# Altium PCB 28375D_Control_Card_2023.6.7.PcbDoc (part 1 of 2) (continued)
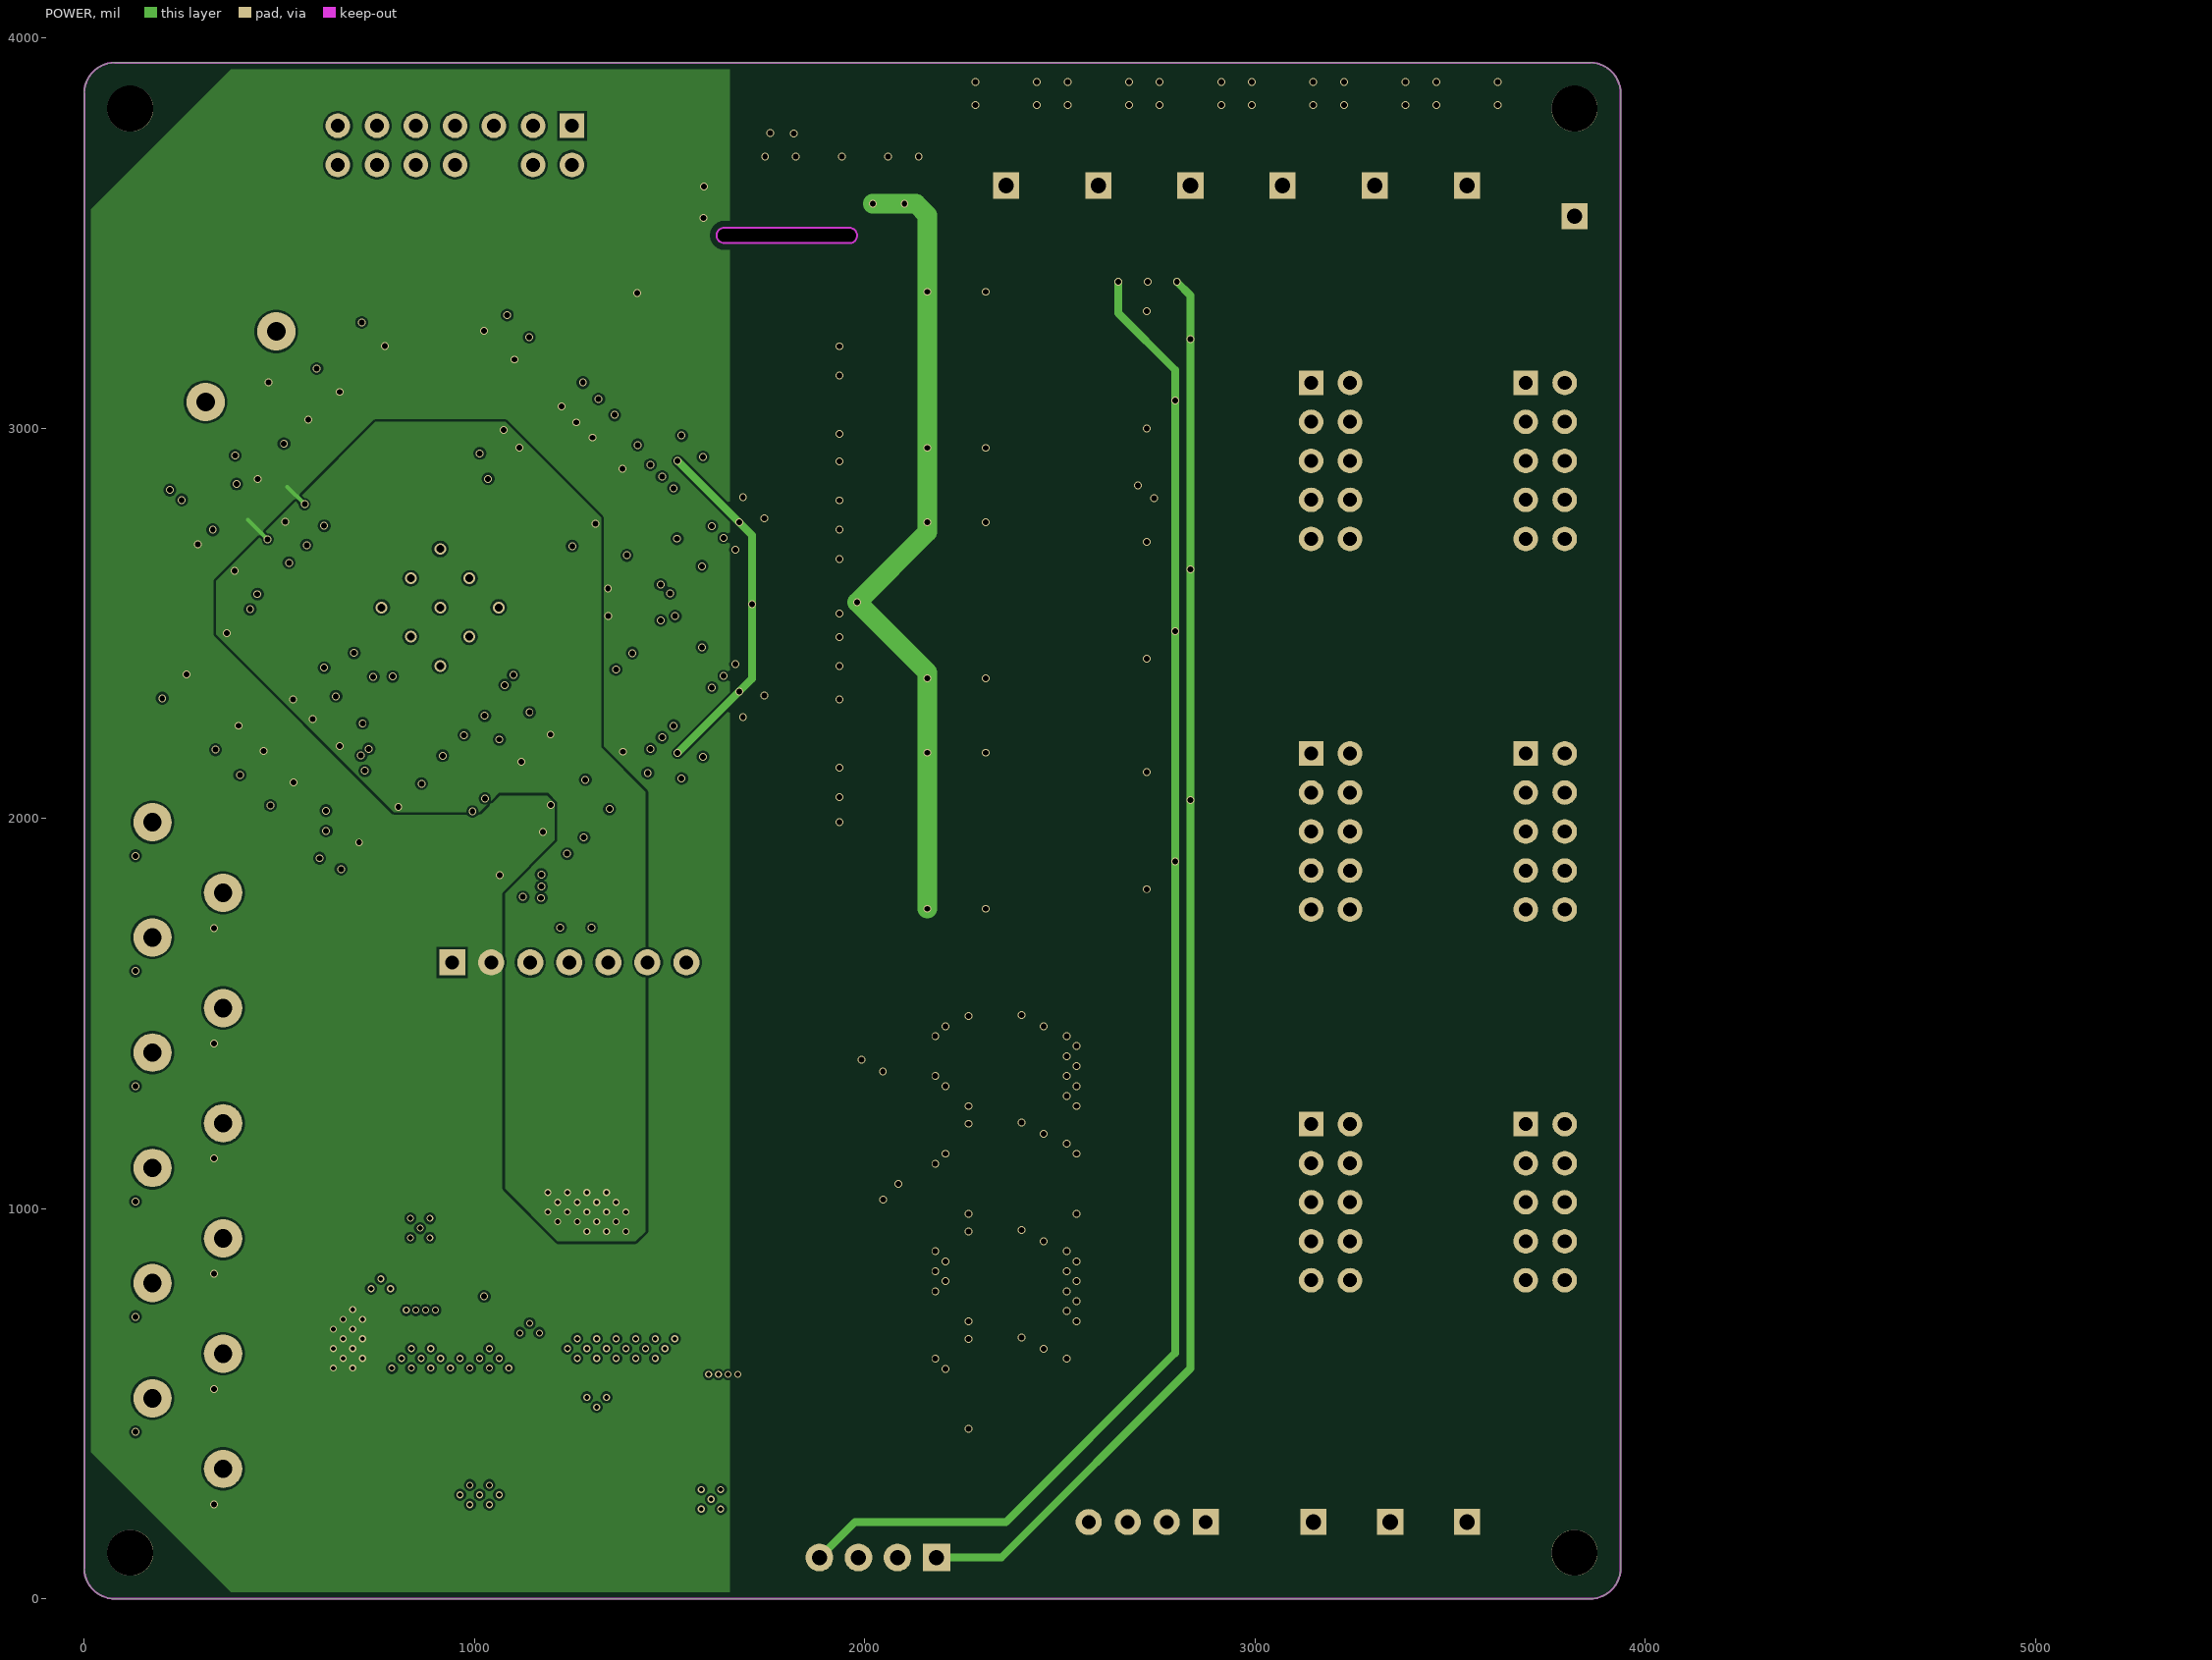
[diagram p3: POWER]

## Layer stack, top to bottom
Top Solder: solder mask 0.4, Solder Resist, Dk 3.5
Top Layer: signal copper 1.4
Dielectric 2: prepreg 2.8, PP-006, Dk 4.1
GND: signal copper 0.689
Dielectric 1: dielectric 12.6, FR-4, Dk 4.8
POWER: signal copper 0.689
Dielectric 3: prepreg 2.8, PP-006, Dk 4.1
Bottom Layer: signal copper 1.4
Bottom Solder: solder mask 0.4, Solder Resist, Dk 3.5

## Board outline
0,78.74 0,3858.27 cw(c78.74,3858.27) 78.74,3937.01 3858.27,3937.01 cw(c3858.27,3858.27) 3937.01,3858.27 3937.01,78.74 cw(c3858.27,78.74) 3858.27,0 78.74,0 cw(c78.74,78.74)
cut-out: 1640,3474.3 cw(c1640,3494) 1640,3513.7 1961,3513.7 cw(c1961,3494) 1980.7,3494 cw(c1961,3494) 1961,3474.3

## Design rules (kind name [scope] priority, off if disabled: settings)
Clearance edge [All vs OnLayer('Keep-Out Layer')] p1: gap=6 ignorepadtopadclearanceinfootprint=FALSE except(15: Arc-Fill Arc-Poly Arc-Region Track-Fill Track-Poly Track-Region)
Clearance [All] p2: gap=6 ignorepadtopadclearanceinfootprint=FALSE
Height [All] p1 off: minheight=0 maxheight=1000 prefheight=500
HoleSize [All] p1 off: absolutevalues=TRUE maxlimit=100 minlimit=1 maxpercent=80.000 minpercent=20.000
HoleToHoleClearance [All] p1 off: gap=10 allowstackedmicrovias=TRUE
MinimumSolderMaskSliver [All] p1 off: minsoldermaskwidth=10
PolygonConnect [All] p1: connectstyle=Direct reliefconductorwidth=10 reliefentries=4 polygonreliefangle="90 Angle" airgapwidth=10
RoutingVias [All] p1: holewidth=28 width=50 viastyle="Through Hole" minholewidth=28 minwidth=50 maxholewidth=28 maxwidth=50
SilkToSilkClearance [All] p1 off: silktosilkclearance=10
SilkToSolderMaskClearance [IsPad] p1 off: minsilkscreentomaskgap=10 clearancetoexposedcopper=TRUE
SolderMaskExpansion [All] p1: expansion=4 istentingtop=FALSE
Width [All] p1: maxlimit=200 minlimit=5 preferedwidth=10
24 further rules are at their usual default settings.

## Classes and differential pairs
component class DIO: C74 C75 C76 C77 C78 C79 R8 R9 R10 R11 R42 R43 SW1 SW2 SW3 SW4 SW5 SW6
component class POWER_OSC_BOOT: 2 C1 C2 C3 C4 C5 C6 C7 C8 C9 C10 C11 C12 C13 C14 C15 C16 C17 C18 C19 C20 C21 C22 C23 C24 C25 C26 C27 C28 C29 C30 C31 C32 C33 C34 C35 C36 C37 C38 C39 C40 C41 C42 C43 C44 C45 C46 C47 C80 C81 C86 C87 C88 C89 D1 DIP1 FB1 JP1 JP2 L1 L2 LED1 R1 R2 R3 R4 R5 R6 R7 R44 R45 R46 R51 S TP8 TP12 TP13 U2 U3 X1
component class CONNECTOR_BUFFER: BUF1 BUF2 BUF3 BUF4 C82 C83 C84 C85 J1 J2 J3 J4 J5 J6 JP3 JP4 R47 R48 R49 R50 TP9 TP10 TP11
component class CONDITIONING: C68 C69 C70 C71 C72 C73 R12 R13 R14 R15 R16 R17 R18 R19 R20 R21 R22 R23 R24 R25 R26 R27 R28 R29 R30 R31 R32 R33 R34 R35 R36 R37 R38 R39 R40 R41 TP16 TP17 TP18 U5 U6 U7
component class AIO: C48 C49 C50 C51 C52 C53 C54 C55 C56 C57 C58 C59 C60 C61 C62 C63 C64 C65 C66 C67 ESD1 ESD2 ESD3 ESD4 FB3 J7 J8 J9 J10 J11 J12 RA1 RA2 RA3 RA4 TP1 TP2 TP3 TP4 TP5 TP6 TP7 TP14 TP15 U1 U4

## Components (designator, comment, footprint, x,y, rotation, side; value= is the part's Value field where it differs from the comment)
BUF1 "74AHCT541" TSSOP20_N 2362.2,1377.95 r0 top
BUF2 "74AHCT541" TSSOP20_N 2362.2,1102.36 r0 top
BUF3 "74AHCT541" TSSOP20_N 2362.2,826.77 r0 top
BUF4 "74AHCT541" TSSOP20_N 2362.2,551.18 r0 top
C1 "22p" "C 0805_L" 226.91,2769.33 r315 top
C2 "22p" "C 0805_L" 229.72,2918.35 r45 top
C3 "100n" "C 0805_L" 304.14,3237.97 r225 top
C4 "220p" "C 0805_L" 1344.14,145.41 r180 top
C5 "104" "C 0805_L" 1342.76,301.2 r180 top
C6 "100n" "C 0805_L" 1492.66,501.96 r270 top
C7 "10u" "C 1210_L" 1558.45,360.12 r180 top
C8 "10u" "C 1210_L" 820.66,467.24 r270 top
C9 "100n" "C 0805_L" 880.7,297 r90 top
C10 "220p" "C 0805_L" 1108.65,1040.69 r0 top
C11 "1u" "C 0805_L" 1467.14,2632.86 r180 bottom
C12 "100n" "C 0805_L" 1467.14,2475.38 r180 bottom
C13 "104" "C 0805_L" 1108.65,883.21 r0 top
C14 "100n" "C 0805_L" 975.52,701.95 r90 top
C15 "10u" "C 1210_L" 911.8,843.84 r0 top
C16 "10u" "C 1210_L" 1646.97,726.97 r90 top
C17 "100n" "C 0805_L" 1748.19,726.34 r90 top
C18 "100n" "C 0603_L" 834.7,2060.19 r225 bottom
C19 "100n" "C 0603_L" 1092.51,2174.55 r315 bottom
C20 "100n" "C 0603_L" 393.55,2506.14 r225 bottom
C21 "100n" "C 0603_L" 682.68,2212.65 r225 bottom
C22 "100n" "C 0603_L" 1042.76,2964.46 r45 bottom
C23 "100n" "C 0603_L" 414.17,2605.13 r135 bottom
C24 "100n" "C 0603_L" 613.76,2282.63 r225 bottom
C25 "100n" "C 0603_L" 1167.21,2243.36 r315 bottom
C26 "100n" "C 0603_L" 543.18,2730.4 r135 bottom
C27 "100n" "C 0603_L" 1279.76,2727.28 r45 bottom
C28 "100n" "C 0603_L" 1408.46,2926.55 r225 bottom
C29 "100n" "C 0603_L" 1250.98,3084.03 r225 bottom
C30 "100n" "C 0603_L" 624.24,3123.39 r315 bottom
C31 "100n" "C 0603_L" 742.35,3241.5 r315 bottom
C32 "100n" "C 0603_L" 1132.87,3202.14 r225 bottom
C33 "100n" "C 0603_L" 1054.13,3280.88 r225 bottom
C34 "100n" "C 0603_L" 1329.72,2063.59 r135 bottom
C35 "100n" "C 0603_L" 1250.98,1984.85 r135 bottom
C36 "100n" "C 0603_L" 269.91,2769.06 r315 bottom
C37 "100n" "C 0603_L" 415,2900 r315 bottom
C38 "100n" "C 0603_L" 1408.46,2142.33 r135 bottom
C39 "100n" "C 0603_L" 1211.61,1945.48 r135 bottom
C40 "100n" "C 0603_L" 1093.5,1827.37 r135 bottom
C41 "100n" "C 0603_L" 686.91,1901.9 r45 bottom
C42 "100n" "C 0603_L" 505.91,2061.9 r45 bottom
C43 "100n" "C 0603_L" 427.4,2142.32 r45 bottom
C44 "100n" "C 0603_L" 366.04,2206.88 r45 bottom
C45 "100n" "C 0603_L" 1290.35,3044.66 r225 bottom
C46 "100n" "C 0603_L" 230.54,2339.17 r45 bottom
C47 "100n" "C 0603_L" 1329.72,3005.29 r225 bottom
C48 "1u" "C 0805_L" 1823.44,3615.14 r270 top
C49 "100n" "C 0805_L" 1744.7,3615.14 r270 top
C50 "100n" "C 0805_L" 2138.4,3615.14 r270 top
C51 "1u" "C 0805_L" 2059.66,3615.14 r270 top
C52 "ADC_FLT_CAP" "C 0805_L" 1854.94,3211.17 r180 bottom
C53 "ADC_FLT_CAP" "C 0805_L" 1854.94,3132.43 r180 bottom
C54 "ADC_FLT_CAP" "C 0805_L" 1854.94,3053.69 r180 bottom
C55 "ADC_FLT_CAP" "C 0805_L" 1854.94,2974.95 r180 bottom
C56 "ADC_FLT_CAP" "C 0805_L" 1854.94,2896.21 r180 bottom
C57 "ADC_FLT_CAP" "C 0805_L" 1854.94,2817.47 r180 bottom
C58 "ADC_FLT_CAP" "C 0805_L" 1854.94,2738.73 r180 bottom
C59 "ADC_FLT_CAP" "C 0805_L" 1854.94,2659.99 r180 bottom
C60 "ADC_FLT_CAP" "C 0805_L" 1854.94,2541.88 r180 bottom
C61 "ADC_FLT_CAP" "C 0805_L" 1854.94,2463.14 r180 bottom
C62 "ADC_FLT_CAP" "C 0805_L" 1854.94,2384.4 r180 bottom
C63 "ADC_FLT_CAP" "C 0805_L" 1854.94,2305.66 r180 bottom
C64 "ADC_FLT_CAP" "C 0805_L" 1854.94,2226.92 r180 bottom
C65 "ADC_FLT_CAP" "C 0805_L" 1854.94,2148.18 r180 bottom
C66 "ADC_FLT_CAP" "C 0805_L" 1854.94,2069.44 r180 bottom
C67 "ADC_FLT_CAP" "C 0805_L" 1854.94,1990.7 r180 bottom
C68 "100n" "C 0805_L" 2760.63,2080.91 r90 top
C69 "100n" "C 0805_L" 2760.63,1856.11 r90 top
C70 "100n" "C 0805_L" 2760.63,3262.01 r90 top
C71 "100n" "C 0805_L" 2760.63,3037.21 r90 top
C72 "100n" "C 0805_L" 2760.63,2671.46 r90 top
C73 "100n" "C 0805_L" 2760.63,2446.66 r90 top
C74 "100n" "C 0805_L" 124.88,1843.63 r315 top
C75 "100n" "C 0805_L" 124.88,1548.36 r315 top
C76 "100n" "C 0805_L" 124.88,1253.08 r315 top
C77 "100n" "C 0805_L" 124.88,957.81 r315 top
C78 "100n" "C 0805_L" 124.88,662.53 r315 top
C79 "100n" "C 0805_L" 124.88,367.25 r315 top
C80 "10u" "C 0805_L" 575,2345 r225 bottom
C81 "10u" "C 0805_L" 1075,2910 r45 bottom
C82 "100n" "C 0805_L" 2362.2,1181.1 r0 bottom
C83 "100n" "C 0805_L" 2362.2,905.51 r0 bottom
C84 "100n" "C 0805_L" 2362.2,629.92 r0 bottom
C85 "100n" "C 0805_L" 2362.2,1456.69 r0 bottom
C86 "100n" "C 0603_L" 497.99,2683.6 r135 bottom
C87 "100n" "C 0603_L" 588.1,2776.91 r135 bottom
C88 "100n" "C 0603_L" 541.91,2991.9 r45 bottom
C89 "10n" "C 0805_L" 957.6,910 r180 bottom
D1 "SS34" SMA 1740.29,417.69 r90 top
DIP1 "SW-3P" "CSW1.27 SMD-3P" 740.51,2556.94 r180 bottom
ESD1 "SRV05-4" SOT23-6L 1500.61,2896.21 r315 top
ESD2 "SRV05-4" SOT23-6L 1658.09,2738.73 r315 top
ESD3 "SRV05-4" SOT23-6L 1658.09,2345.03 r225 top
ESD4 "SRV05-4" SOT23-6L 1500.61,2187.55 r225 top
FB1 "60R" "R 0805_L" 1410,2555 r0 bottom
FB3 "60R" "R 0805_L" 1626.59,3577.74 r0 top
J1 "Header 5X2" IDC2.54-LI-2x5P 3693.68,3116.39 r270 top locked
J2 "Header 5X2" IDC2.54-LI-2x5P 3693.68,2166.39 r270 top locked
J3 "Header 5X2" IDC2.54-LI-2x5P 3693.68,1216.39 r270 top locked
J4 "Header 5X2" IDC2.54-LI-2x5P 3143.68,3116.39 r270 top locked
J5 "Header 5X2" IDC2.54-LI-2x5P 3143.68,2166.39 r270 top locked
J6 "Header 5X2" IDC2.54-LI-2x5P 3143.68,1216.39 r270 top locked
J7 "射频连接器" IPEX-1 2598.43,3858.27 r90 top
J8 "射频连接器" IPEX-1 2834.65,3858.27 r90 top
J9 "射频连接器" IPEX-1 3070.87,3858.27 r90 top
J10 "射频连接器" IPEX-1 2362.2,3858.27 r90 top
J11 "射频连接器" IPEX-1 3543.31,3858.27 r90 top
J12 "射频连接器" IPEX-1 3307.09,3858.27 r90 top
JP1 "Header 2X7" IDC2.54-LI-2x7P 1250,3775 r180 top locked
JP2 "HDR-1X4" KF2510-LI-4P 2033.9,105.79 r180 top
JP3 "HDR-1X7" HDR2.54-M-LI-7P 1243,1631 r0 top
JP4 "HDR-1X4" HDR2.54-LI-4P 2724.02,196.85 r180 top
L1 "22uH" CDRH74 1088.7,417.69 r180 top
L2 "22uH" CDRH74 1380.27,775.22 r0 top
LED1 "RED" "LED 0805R" 1009.48,183.67 r0 top
R1 "10R" "R 0805_L" 1417.32,3425.2 r270 top
R2 "2K" "R 0805_L" 480.7,3056.3 r45 top
R3 "15K" "R 0805_L" 1500.24,222.46 r180 top
R4 "47K" "R 0805_L" 1344.73,222.45 r180 top
R5 "2K" "R 0805_L" 836.88,183.66 r180 top
R6 "20K" "R 0805_L" 951.17,961.95 r0 top
R7 "10K" "R 0805_L" 1108.65,961.95 r0 top
R8 "10K" "R 0805_L" 384.71,1666.35 r135 top
R9 "10K" "R 0805_L" 384.71,1371.07 r135 top
R10 "10K" "R 0805_L" 384.71,1075.8 r135 top
R11 "10K" "R 0805_L" 384.71,780.52 r135 top
R12 "10K" "R 0805_L" 2523.23,2168.51 r0 top
R13 "10K" "R 0805_L" 2523.23,1768.51 r0 top
R14 "10K" "R 0805_L" 2523.23,3349.61 r0 top
R15 "10K" "R 0805_L" 2523.23,2949.61 r0 top
R16 "10K" "R 0805_L" 2523.23,2759.06 r0 top
R17 "10K" "R 0805_L" 2523.23,2359.06 r0 top
R18 "1M" "R 0805_L" 2685.63,2080.9 r270 top
R19 "1M" "R 0805_L" 2685.63,1856.11 r90 top
R20 "1M" "R 0805_L" 2685.63,3262 r270 top
R21 "1M" "R 0805_L" 2685.63,3037.21 r90 top
R22 "1M" "R 0805_L" 2685.63,2671.45 r270 top
R23 "1M" "R 0805_L" 2685.63,2446.66 r90 top
R24 "10K" "R 0805_L" 2373.23,2168.51 r0 top
R25 "10K" "R 0805_L" 2373.23,1768.51 r0 top
R26 "10K" "R 0805_L" 2373.23,3349.61 r0 top
R27 "10K" "R 0805_L" 2373.03,2949.61 r0 top
R28 "10K" "R 0805_L" 2373.23,2759.06 r0 top
R29 "10K" "R 0805_L" 2373.23,2359.06 r0 top
R30 "1K" "R 0805_L" 2235.63,2043.5 r270 top
R31 "1K" "R 0805_L" 2235.63,1893.5 r90 top
R32 "1K" "R 0805_L" 2235.63,3224.61 r270 top
R33 "1K" "R 0805_L" 2235.63,3074.61 r90 top
R34 "1K" "R 0805_L" 2235.63,2634.06 r270 top
R35 "1K" "R 0805_L" 2235.63,2484.06 r90 top
R36 "1K" "R 0805_L" 2223.23,2168.51 r0 top
R37 "1K" "R 0805_L" 2223.23,1768.51 r0 top
R38 "1K" "R 0805_L" 2223.23,3349.61 r0 top
R39 "1K" "R 0805_L" 2223.23,2949.61 r0 top
R40 "1K" "R 0805_L" 2223.23,2759.06 r0 top
R41 "1K" "R 0805_L" 2223.23,2359.06 r0 top
R42 "10K" "R 0805_L" 384.71,485.25 r135 top
R43 "10K" "R 0805_L" 384.71,189.97 r135 top
R44 "2.2K" "R 0805_L" 879.46,2202.16 r315 bottom
R45 "2.2K" "R 0805_L" 930.84,2252.49 r315 bottom
R46 "2.2K" "R 0805_L" 982.51,2303.57 r315 bottom
R47 "0R" "R 0805_L" 1042.6,1520 r0 top
R48 "0R" "R 0805_L" 1117.4,1520 r0 top
R49 "0R" "R 0805_L" 1262.6,1520 r0 top
R50 "0R" "R 0805_L" 1337.4,1520 r0 top
R51 "1M" "R 0805_L" 957.6,830 r0 bottom
RA1 "102" RCA-8P4R-0603 1618.72,3014.32 r315 top
RA2 "102" RCA-8P4R-0603 1776.2,2856.84 r315 top
RA3 "102" RCA-8P4R-0603 1776.2,2226.92 r225 top
RA4 "102" RCA-8P4R-0603 1618.72,2069.44 r225 top
S "3x6x5" "TSW DIP-3*6*4.3" 401.65,3157.56 r45 top
SW1 "3x6x5" "TSW DIP-3*6*4.3" 265.54,1899.81 r135 top
SW2 "3x6x5" "TSW DIP-3*6*4.3" 265.54,1604.53 r135 top
SW3 "3x6x5" "TSW DIP-3*6*4.3" 265.54,1309.26 r135 top
SW4 "3x6x5" "TSW DIP-3*6*4.3" 265.54,1013.98 r135 top
SW5 "3x6x5" "TSW DIP-3*6*4.3" 265.54,718.71 r135 top
SW6 "3x6x5" "TSW DIP-3*6*4.3" 265.54,423.43 r135 top
TP1 "TEST TP" "TEST TP1.4_W" 2598.43,3622.05 r180 top
TP2 "TEST TP" "TEST TP1.4_Y" 2834.65,3622.05 r180 top
TP3 "TEST TP" "TEST TP1.4_Y" 3070.87,3622.05 r180 top
TP4 "TEST TP" "TEST TP1.4_Y" 2362.2,3622.05 r180 top
TP5 "TEST TP" "TEST TP1.4_G" 3543.31,3622.05 r180 top
TP6 "TEST TP" "TEST TP1.4_G" 3307.09,3622.05 r180 top
TP7 "TEST TP" "TEST TP1.4_B" 3818.9,3543.31 r180 top
TP8 "TEST" "TEST 1.6" 669.29,511.81 r180 top
TP9 "TEST TP" "TEST TP1.4_B" 3346.46,196.85 r270 top
TP10 "TEST TP" "TEST TP1.4_B" 3149.61,196.85 r270 top
TP11 "TEST TP" "TEST TP1.4_B" 3543.31,196.85 r270 top
TP12 "TEST" "TEST 1.6" 738.35,942.42 r270 top
TP13 "TEST" "TEST 1.6" 1443.66,1004.39 r270 top
TP14 "TEST" "TEST 1.6" 1994.38,3757.03 r270 top
TP15 "TEST" "TEST 1.6" 1787.78,3757.03 r270 top
TP16 "TEST" "TEST 1" 2800,3375 r270 top
TP17 "TEST" "TEST 1" 2725,3375 r270 top
TP18 "TEST" "TEST 1" 2650,3375 r270 top
U1 "TMS320F28375DPTP" "LQFP176-E 24x24_N" 910.06,2541.88 r45 top locked value=Value
U2 "SCT2320" SOT23-6 1365.4,421.28 r270 top
U3 "SCT2320" SOT23-6 1098.15,775.22 r90 top
U4 "REF3030" SOT23-3L 1941.55,3617.11 r0 top
U5 "TL074" SOP14_N 2460.63,3149.61 r270 top
U6 "TL074" SOP14_N 2460.63,2559.06 r270 top
U7 "TL074" SOP14_N 2460.63,1968.5 r270 top
X1 "20M" "OSC 3225-4P" 305,2850 r45 top

## Footprints (in the part's own frame and the unit in brackets; to place one, negate y for a bottom-side part, rotate by r counter-clockwise, add the part's x,y. Pads: shape width x height; smd on the part's side, far side on the other; paste and mask are expansions set on the pad)
"C 0603_L" [mil] "无极性贴片电容"
  rect 30x30 smd: 1(-25.59,0) 2(25.59,0)
  silkscreen extent -51,-26 51,26, body extent -31,-16 31,16, height 32
"C 0805_L" [mil] "无极性贴片电容"
  rect 35x50 smd: 1(-37.4,0) 2(37.4,0)
  silkscreen extent -67,-36 67,36, body extent -39,-24 39,24, height 20
"C 1210_L" [mil] "无极性贴片电容"
  rect 60x100 smd: 1(-57.09,0) 2(57.09,0)
  silkscreen extent -100,-63 100,63, body extent -63,-51 63,51, height 60
CDRH74 [mm] "7.3*7.3*4.5mm（长宽高）"
  rect 2x2 smd: 1(-3.81,0) 2(3.81,0)
  silkscreen extent -3.81,-3.81 3.81,3.81, body extent -3.65,-3.65 3.65,3.65, height 4.5
"CSW1.27 SMD-3P" [mm] "长：5.41mm，宽：5.4mm，高：2.3mm"
  rect 0.65x1.5 smd: 1(-1.27,-4.15) 2(0,-4.15) 3(1.27,-4.15) 4(1.27,4.15) 5(0,4.15) 6(-1.27,4.15)
  silkscreen extent -2.79,-4.4 2.67,2.7, body extent -2.71,-4.35 2.7,4.35, height 2.35
HDR2.54-LI-4P [mm] "排针，4脚"
  rect 1.7x1.7 hole 0.9: 1(-3.81,0)
  round 1.7 hole 0.9: 2(-1.27,0) 3(1.27,0) 4(3.81,0)
  silkscreen extent -5.08,-1.27 5.08,1.27, body extent -5.08,-1.27 5.08,1.27, height 8.5
HDR2.54-M-LI-7P [mm] "排母，7脚"
  rect 1.7x1.7 hole 0.9: 1(-7.62,0)
  round 1.7 hole 0.9: 2(-5.08,0) 3(-2.54,0) 4(0,0) 5(2.54,0) 6(5.08,0) 7(7.62,0)
  silkscreen extent -8.89,-1.27 8.89,1.27, body extent -8.89,-1.27 8.89,1.27, height 8.5
IDC2.54-LI-2x5P [mm] "10P简易牛角座"
  rect 1.6x1.6 hole 0.9: 1(0,0)
  round 1.6 hole 0.9: 2(0,2.54) 3(2.54,0) 4(2.54,2.54) 5(5.08,0) 6(5.08,2.54) 7(7.62,0) 8(7.62,2.54) 9(10.16,0) 10(10.16,2.54)
  silkscreen extent -5.11,-3.23 15.27,6.1, body extent -5.08,-3.08 15.24,5.77, height 9.17
IDC2.54-LI-2x7P [mm] "14P简易牛角座"
  rect 1.6x1.6 hole 0.9: 1(0,0)
  round 1.6 hole 0.9: 2(0,2.54) 3(2.54,0) 4(2.54,2.54) 5(5.08,0) 7(7.62,0) 8(7.62,2.54) 9(10.16,0) 10(10.16,2.54) 11(12.7,0) 12(12.7,2.54) 13(15.24,0) 14(15.24,2.54)
  round 0.635 smd mask+0.102: 6(5.08,2.54)
  silkscreen extent -5.14,-3.2 20.35,5.8, body extent -5.08,-3.08 20.32,5.77, height 9.17
IPEX-1 [mm]
  rect 1.05x1 smd: 1(-1.475,0.018)
  rect 2.2x1.1 smd: 2(0.025,1.518) 2(0.025,-1.482)
  silkscreen extent -1.28,-0.82 1.32,0.85
KF2510-LI-4P [mm] "接插件/2A"
  rect 1.8x1.8 hole 1: 1(-3.81,0)
  round 1.8 hole 1: 2(-1.27,0) 3(1.27,0) 4(3.81,0)
  silkscreen extent -5.08,-3.56 5.21,2.54, body extent -5.08,-3.5 5.08,2.4, height 11.05
"LED 0805R" [mil] "红色0805LED"
  rect 60x50 smd: 1(-50,0)
  oct 60x50 smd: 2(50,0)
  silkscreen extent -90,-35 105,35, body extent -39,-25 39,25, height 32
"LQFP176-E 24x24_N" [mm]
  oval 0.3x1.8 smd: 1(-10.748,-12.575) 2(-10.248,-12.575) 3(-9.748,-12.575) 4(-9.248,-12.575) 5(-8.748,-12.575) 6(-8.248,-12.575) 7(-7.748,-12.575) 8(-7.248,-12.575) 9(-6.748,-12.575) 10(-6.248,-12.575) 11(-5.748,-12.575) 12(-5.248,-12.575) 13(-4.748,-12.575) 14(-4.248,-12.575) 15(-3.748,-12.575) 16(-3.248,-12.575) 17(-2.748,-12.575) 18(-2.248,-12.575) 19(-1.748,-12.575) 20(-1.248,-12.575) 21(-0.748,-12.575) 22(-0.248,-12.575) 23(0.252,-12.575) 24(0.752,-12.575) 25(1.252,-12.575) 26(1.752,-12.575) 27(2.252,-12.575) 28(2.752,-12.575) 29(3.252,-12.575) 30(3.752,-12.575) 31(4.252,-12.575) 32(4.752,-12.575) 33(5.252,-12.575) 34(5.752,-12.575) 35(6.252,-12.575) 36(6.752,-12.575) 37(7.252,-12.575) 38(7.752,-12.575) 39(8.252,-12.575) 40(8.752,-12.575) 41(9.252,-12.575) 42(9.752,-12.575) 43(10.252,-12.575) 44(10.752,-12.575) 89(10.752,12.575) 90(10.252,12.575) 91(9.752,12.575) 92(9.252,12.575) 93(8.752,12.575) 94(8.252,12.575) 95(7.752,12.575) 96(7.252,12.575) 97(6.752,12.575) 98(6.252,12.575) 99(5.752,12.575) 100(5.252,12.575) 101(4.752,12.575) 102(4.252,12.575) 103(3.752,12.575) 104(3.252,12.575) 105(2.752,12.575) 106(2.252,12.575) 107(1.752,12.575) 108(1.252,12.575) 109(0.752,12.575) 110(0.252,12.575) 111(-0.248,12.575) 112(-0.748,12.575) 113(-1.248,12.575) 114(-1.748,12.575) 115(-2.248,12.575) 116(-2.748,12.575) 117(-3.248,12.575) 118(-3.748,12.575) 119(-4.248,12.575) 120(-4.748,12.575) 121(-5.248,12.575) 122(-5.748,12.575) 123(-6.248,12.575) 124(-6.748,12.575) 125(-7.248,12.575) 126(-7.748,12.575) 127(-8.248,12.575) 128(-8.748,12.575) 129(-9.248,12.575) 130(-9.748,12.575) 131(-10.248,12.575) 132(-10.748,12.575)
  oval 1.8x0.3 smd: 45(12.578,-10.75) 46(12.578,-10.25) 47(12.578,-9.75) 48(12.578,-9.25) 49(12.578,-8.75) 50(12.578,-8.25) 51(12.578,-7.75) 52(12.578,-7.25) 53(12.578,-6.75) 54(12.578,-6.25) 55(12.578,-5.75) 56(12.578,-5.25) 57(12.578,-4.75) 58(12.578,-4.25) 59(12.578,-3.75) 60(12.578,-3.25) 61(12.578,-2.75) 62(12.578,-2.25) 63(12.578,-1.75) 64(12.578,-1.25) 65(12.578,-0.75) 66(12.578,-0.25) 67(12.578,0.25) 68(12.578,0.75) 69(12.578,1.25) 70(12.578,1.75) 71(12.578,2.25) 72(12.578,2.75) 73(12.578,3.25) 74(12.578,3.75) 75(12.578,4.25) 76(12.578,4.75) 77(12.578,5.25) 78(12.578,5.75) 79(12.578,6.25) 80(12.578,6.75) 81(12.578,7.25) 82(12.578,7.75) 83(12.578,8.25) 84(12.578,8.75) 85(12.578,9.25) 86(12.578,9.75) 87(12.578,10.25) 88(12.578,10.75) 133(-12.573,10.75) 134(-12.573,10.25) 135(-12.573,9.75) 136(-12.573,9.25) 137(-12.573,8.75) 138(-12.573,8.25) 139(-12.573,7.75) 140(-12.573,7.25) 141(-12.573,6.75) 142(-12.573,6.25) 143(-12.573,5.75) 144(-12.573,5.25) 145(-12.573,4.75) 146(-12.573,4.25) 147(-12.573,3.75) 148(-12.573,3.25) 149(-12.573,2.75) 150(-12.573,2.25) 151(-12.573,1.75) 152(-12.573,1.25) 153(-12.573,0.75) 154(-12.573,0.25) 155(-12.573,-0.25) 156(-12.573,-0.75) 157(-12.573,-1.25) 158(-12.573,-1.75) 159(-12.573,-2.25) 160(-12.573,-2.75) 161(-12.573,-3.25) 162(-12.573,-3.75) 163(-12.573,-4.25) 164(-12.573,-4.75) 165(-12.573,-5.25) 166(-12.573,-5.75) 167(-12.573,-6.25) 168(-12.573,-6.75) 169(-12.573,-7.25) 170(-12.573,-7.75) 171(-12.573,-8.25) 172(-12.573,-8.75) 173(-12.573,-9.25) 174(-12.573,-9.75) 175(-12.573,-10.25) 176(-12.573,-10.75)